# Altium PCB MainBoard_6_layers.PcbDoc (part 3 of 6)
Units mil, origin at the board's own origin, x right, y up, seen from the top; angles counter-clockwise.
Board outline 6692.91 x 6692.91 mil, 6 copper layers (Top Layer, Layer 1, Layer 3, Layer 4, Layer 2, Bottom Layer), stack 32.112 mil thick; 236 components, 405 nets, 1909 pads, 1279 vias.
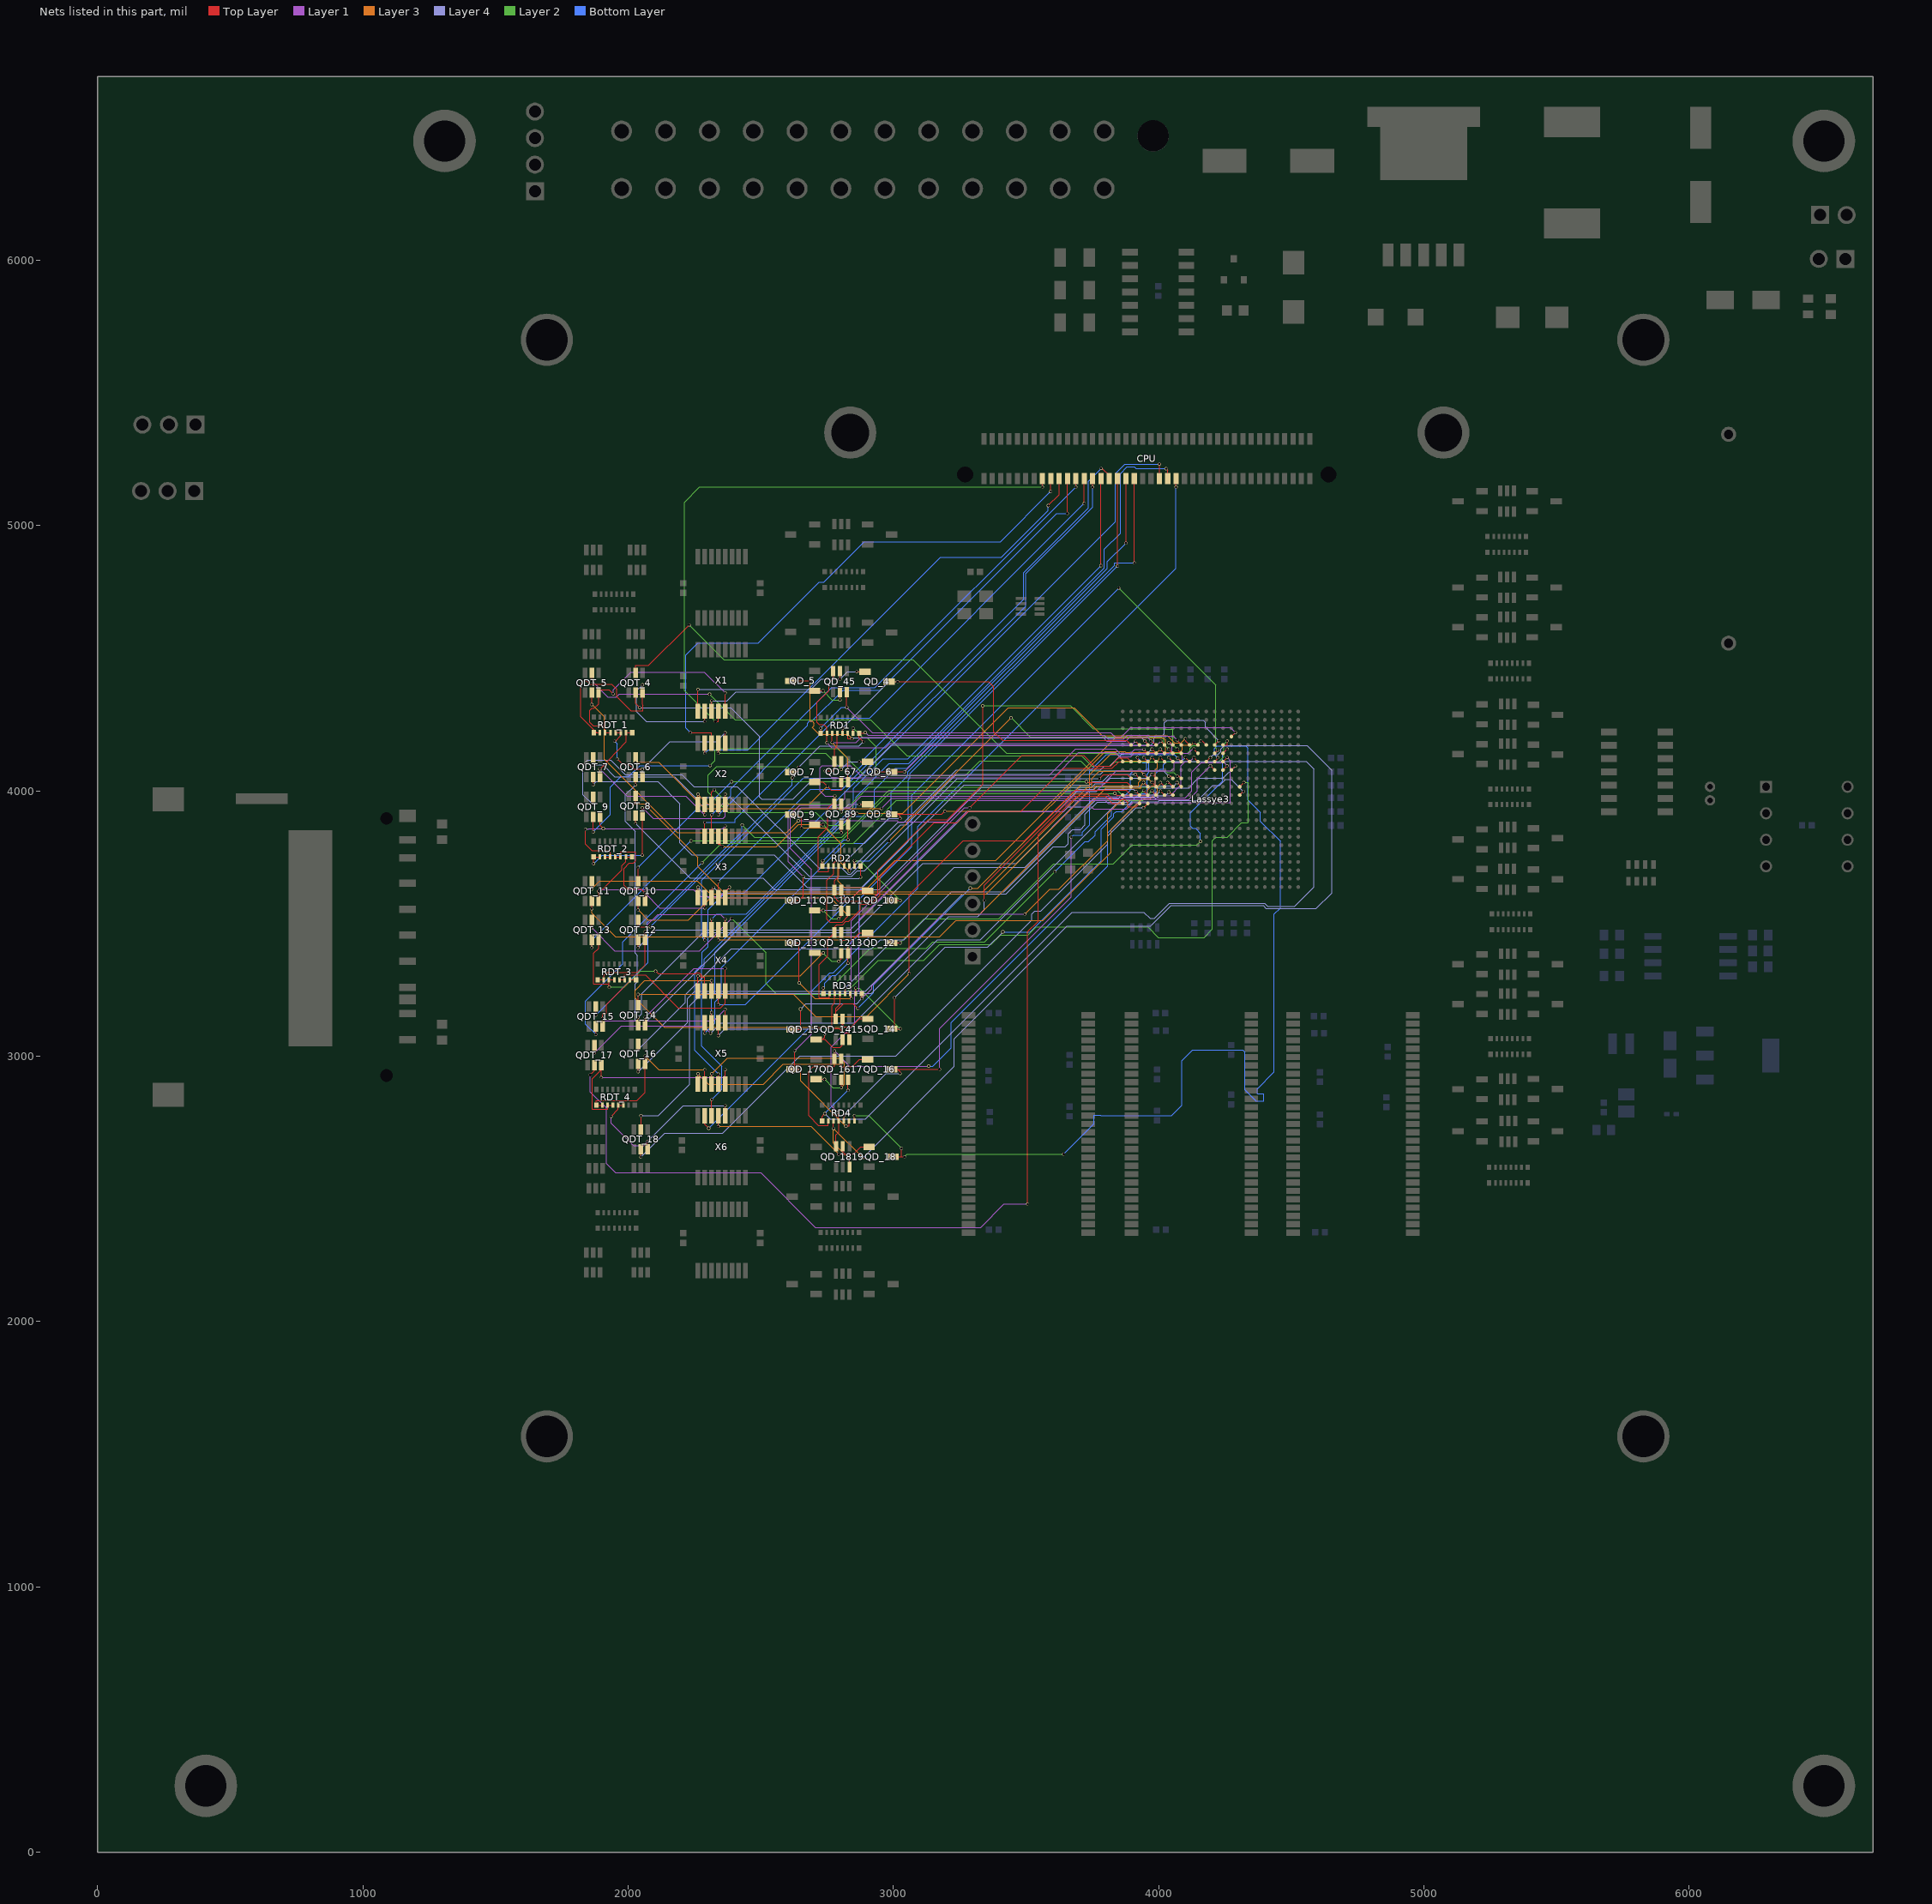
[diagram p7: the nets of this part, all layers, seen from the top]

## Via types
v1: diameter 11.81, hole 9.84, Top Layer to Bottom Layer, tented both sides, 1273 vias
v2: diameter 11.81, hole 9.84, Top Layer to Bottom Layer, 3 vias
v3: diameter 19.68, hole 13.78, Top Layer to Bottom Layer, tented both sides, 2 vias
v4: diameter 47.24, hole 35.43, Top Layer to Bottom Layer, tented both sides, 1 vias

## Nets (pads, with @x,y where several pads share a name; then routed paths per layer and width w, separated by ;. In a path a pad name is that pad's centre, name@x,y a point inside that pad or via, vN(x,y) a via of type N, cw(c..) or ccw(c..) an arc to the next point about the centre after c; other vN are vias at no path point) (continued)
D4_A_FromBUS: Lassye3.D14 QD_45.3 RD1.1 | length 1763.1
  Top Layer w4: RD1.1@2726.3,4217.67 v1(2726.3,4237) ; v1(2824.25,4315.66) QD_45.3@2824.25,4372.83 ; Lassye3.D14@4274.17,4205.15 v1(4289.47,4220.44)
  Layer 1 w4: v1(2824.25,4315.66) 2919.82,4220.09 3820.01,4220.09 3836.01,4204.09 3859.82,4204.09 3895.73,4240 4269.91,4240 v1(4289.47,4220.44)
  Bottom Layer w4: v1(2726.3,4237) 2804.96,4315.66 v1(2824.25,4315.66)
D4_A_ToBUS: Lassye3.E11 QDT_4.5 | length 2473.4
  Top Layer w4: QDT_4.5@2027.91,4445.5 2027.91,4473 2076.91,4473 v1(2229.91,4626) ; v1(4158.91,4189) 4164.34,4189 Lassye3.E11@4179.69,4173.65
  Layer 2 w4: v1(2229.91,4626) 2360.91,4495 3073.91,4495 3425.91,4143 4108.91,4143 4117.91,4152 4117.91,4161 4127.91,4171 4140.91,4171 v1(4158.91,4189)
D4_B_FromBUS: Lassye3.E2 QD_4.3 RD1.5 | length 1409.4
  Top Layer w4: RD1.5@2808.5,4217.67 2808.5,4236.59 v1(2808.91,4237) ; QD_4.3@2983.94,4412.2 v1@3015.72,4412.2 ; v1(3015.91,4412) v1@3015.72,4412.2 ; Lassye3.E2@3896.22,4173.65 3879.78,4190.09 3411.82,4190.09 3377.91,4224 3377.91,4393 3358.72,4412.2 v1@3015.72,4412.2
  Layer 4 w4: v1(2808.91,4237) 2983.91,4412 v1(3015.91,4412)
D4_B_ToBUS: Lassye3.E12 QDT_4.2 | length 2744.9
  Top Layer w4: QDT_4.2@2027.91,4370.7 2027.91,4330 v1(2043.91,4314) ; Lassye3.E12@4211.18,4173.65 v1(4226.91,4189.38)
  Layer 4 w4: v1(2043.91,4314) 2386.91,4314 2495.79,4205.12 2495.79,3977.12 2503.91,3969 2621.91,3969 2700.91,4048 2865.91,4048 2990.91,4173 3971.91,4173 3982.91,4184 3982.91,4200 3991.91,4209 4014.91,4209 4021.91,4216 4021.91,4257 4031.91,4267 4167.91,4267 4175.91,4259 4175.91,4240.38 v1(4226.91,4189.38)
D4_FROM_BUS: QD_4.1 QD_45.5 X1.1 | length 769.8
  Top Layer w4: X1.1@2263.35,4300.77 v1(2263.35,4383) ; v1(2798.66,4421.97) QD_45.5@2798.66,4451.57 ; v1(2861.91,4450) 2862.32,4449.6 QD_4.1@2893.39,4449.6
  Layer 4 w4: v1(2263.35,4383) 2689.64,4383 2728.61,4421.97 v1(2798.66,4421.97) 2826.69,4450 v1(2861.91,4450)
D4_TO_BUS: QDT_4.3 RDT_1.1 RDT_1.2 X1.2 | length 1062.9
  Top Layer w4: RDT_1.1@1870.55,4219.94 1881.97,4219.94 ; RDT_1.2@1893.7,4215 RDT_1.2@1893.7,4219.94 1881.97,4219.94 ; v1(2053.91,4400) 2053.5,4399.59 QDT_4.3@2053.5,4370.7 2053.5,4326 2055.91,4323.59 2055.91,4302 2009.91,4302 1956.91,4355 1956.91,4384 1937.91,4403 1854.91,4403 1841.91,4416 1829.91,4416 1821.91,4408 1821.91,4280 1881.97,4219.94 ; v1(2288.91,4262) X1.2@2288.94,4300.77
  Layer 4 w4: v1(2053.91,4400) 2031.91,4378 2031.91,4299 2068.91,4262 v1(2288.91,4262)
D5: CPU.16 X1.4 | length 2330.3
  Top Layer w4: v1(2328.91,4262) 2340.12,4262 X1.4@2340.12,4300.77 ; CPU.16@3561.85,5177.83 3561.85,5146.06 v1(3561.91,5146)
  Layer 2 w4: v1(2328.91,4262) 2211.91,4379 2211.91,5088 2269.91,5146 v1(3561.91,5146)
D5_A_FromBUS: Lassye3.E3 QD_45.6 RD1.2 | length 1522.9
  Top Layer w4: v1(2749.45,4182) RD1.2@2749.45,4217.67 2749.45,4240 2738.45,4251 2719.91,4251 2711.91,4259 2711.91,4334 2756.91,4379 2756.91,4406.84 2773.07,4423 QD_45.6@2773.07,4451.57 ; v1(3913.37,4188) Lassye3.E3@3927.72,4173.65
  Layer 1 w4: v1(2749.45,4182) 2767.45,4164 2970.91,4164 2986.91,4180 3905.37,4180 v1(3913.37,4188)
D5_A_ToBUS: Lassye3.E13 QDT_5.5 | length 2666.9
  Top Layer w4: v1(1862.91,4415) QDT_5.5@1862.91,4445.5 ; Lassye3.E13@4242.68,4173.65 4258.91,4173.65 v1(4258.91,4189)
  Layer 1 w4: v1(1862.91,4415) 1923.82,4354.09 1955.82,4354.09 1966.73,4365 v1(2306.91,4365)
  Layer 2 w4: v1(2306.91,4365) 2402.91,4269 2914.91,4269 3050.91,4133 3708.62,4133 3747.52,4094.09 3816.82,4094.09 3832.82,4110.09 4227.01,4110.09 4246.82,4129.91 4246.82,4176.91 v1(4258.91,4189)
D5_B_FromBUS: Lassye3.E4 QD_5.3 RD1.6 | length 1611.6
  Top Layer w4: QD_5.3@2612.64,4415 v1(2685.91,4415) ; RD1.6@2828.19,4217.67 2828.19,4198 ; v1(2843.91,4197) v1@2842.99,4197.92 ; v1@2844.19,4197.92 v1@2842.99,4197.92 ; v1(3947.91,4189) 3947.91,4186.98 3959.21,4175.68 Lassye3.E4@3959.21,4173.65 ; 2828.19,4198 2828.19,4197.92 v1@2842.99,4197.92 ; 2828.19,4198 2842.91,4198 v1@2842.99,4197.92
  Layer 3 w4: v1(2685.91,4415) 2685.91,4262.96 2693.59,4262.96 2700.57,4255.99 2700.57,4246.12 2694.18,4239.73 2719.91,4214 2828.11,4214 v1@2844.19,4197.92
  Layer 4 w4: v1(2843.91,4197) 2847.91,4201 3935.91,4201 v1(3947.91,4189)
D5_B_ToBUS: Lassye3.H12 QDT_5.2 | length 2836
  Top Layer w4: v1(1862.91,4326) QDT_5.2@1862.91,4370.7 ; v1(4195.35,4095) Lassye3.H12@4211.18,4079.16
  Layer 1 w4: v1(2641.91,3888) 3013.59,3888 3017.3,3884.29 3200.2,3884.29 3280.82,3964.91 3797.82,3964.91 3809.45,3953.28 3862.82,3953.28 3876.58,3967.04 4113.43,3967.04 4146.39,4000 4146.39,4046.05 v1(4195.35,4095)
  Layer 3 w4: v1(1862.91,4326) 1909.91,4279 1909.91,4120 2185.91,3844 2597.91,3844 v1(2641.91,3888)
D5_FROM_BUS: QD_5.1 QD_45.2 X1.3 | length 614.4
  Top Layer w4: X1.3@2314.53,4300.77 2314.53,4339.61 v1(2314.91,4340) ; QD_5.1@2703.19,4377.6 v1(2734.75,4377.6) ; v1(2798.66,4343) QD_45.2@2798.66,4372.83
  Layer 2 w4: v1(2734.75,4377.6) 2769.35,4343 v1(2798.66,4343)
  Layer 4 w4: v1(2314.91,4340) 2372.61,4340 2406.61,4374 2731.15,4374 v1(2734.75,4377.6)
D5_TO_BUS: QDT_5.3 RDT_1.3 RDT_1.4 X1.5 | length 877.2
  Top Layer w4: RDT_1.4@1933.07,4219.94 RDT_1.3@1913.39,4219.94 1913.39,4243.71 1911.04,4246.05 1868.86,4246.05 1855.91,4259 1855.91,4304 1863.91,4312 1871.91,4312 1888.5,4328.59 QDT_5.3@1888.5,4370.7 1888.5,4382 1927.91,4382 v1(1943.91,4366) ; X1.5@2365.71,4300.77 v1(2365.71,4370)
  Layer 1 w4: v1(1943.91,4366) 1943.91,4382 2009.91,4448 2287.71,4448 v1(2365.71,4370)
D6: CPU.18 X2.14 | length 2097.6
  Top Layer w4: v1(2234.91,4220) 2314.53,4220 X2.14@2314.53,4180.68 ; v1(3593.35,5129.43) CPU.18@3593.35,5177.83
  Bottom Layer w4: v1(2234.91,4220) 2217.91,4237 2217.91,4512 2262.91,4557 2490.91,4557 2720.91,4787 2737.51,4787 2889.8,4939.29 3403.2,4939.29 v1(3593.35,5129.43)
D6_A__FromBUS: Lassye3.E5 QD_67.3 RD1.3 | length 1460.5
  Top Layer w4: v1(2769.13,4183) RD1.3@2769.13,4217.67 ; v1(2828.91,4078) 2829.25,4077.66 QD_67.3@2829.25,4032.83 ; v1(3971.01,4189) 3973.12,4189 Lassye3.E5@3988.47,4173.65
  Layer 1 w4: v1(2769.13,4183) 2859.23,4183 2878.38,4202.15 3790.05,4202.15 3804.1,4188.09 3875.82,4188.09 3889.87,4202.15 3957.86,4202.15 v1(3971.01,4189)
  Layer 3 w4: v1(2769.13,4183) 2828.91,4123.22 v1(2828.91,4078)
D6_A_ToBUS: Lassye3.H13 QDT_6.5 | length 2465.8
  Top Layer w4: v1(2027.91,4107.96) QDT_6.5@2027.91,4127.4 ; Lassye3.H13@4242.68,4079.16 4258.51,4095 v1(4258.91,4095)
  Layer 1 w4: v1(2954.91,3934) 2993.82,3972.91 3805.82,3972.91 3807.82,3970.91 3850.69,3970.91 3854.82,3975.04 4099.95,3975.04 4124.91,4000 4124.91,4072 4159.91,4107 4246.91,4107 v1(4258.91,4095)
  Layer 3 w4: v1(2027.91,4107.96) 2114.95,4107.96 2288.91,3934 v1(2954.91,3934)
D6_B_FromBUS: Lassye3.E6 QD_6.3 RD1.7 | length 1370.7
  Top Layer w4: RD1.7@2847.87,4217.67 v1(2847.91,4237) v1(2847.91,4237) ; v1(2935.91,4072.2) QD_6.3@2993.94,4072.2 v1(3041.5,4072.2) ; v1(4007.89,4187.97) Lassye3.E6@4022.21,4173.65
  Layer 1 w4: v1(3041.5,4072.2) 3140.3,4171 3990.91,4171 v1(4007.89,4187.97)
  Layer 2 w4: v1(2847.91,4237) 2884.54,4200.38 2901.4,4200.38 2935.91,4165.86 v1(2935.91,4072.2)
D6_B_ToBUS: Lassye3.H14 QDT_6.2 | length 3648.4
  Top Layer w4: v1(2027.91,4023) QDT_6.2@2027.91,4052.6 ; Lassye3.H14@4274.17,4079.16 4289.24,4094.23 v1(4289.24,4094.33)
  Layer 4 w4: v1(2027.91,4023) 1989.91,3985 1989.91,3885 2026.91,3848 2026.91,3741 2025.91,3740 2025.91,3389 2034.91,3380 2034.91,3281 2025.91,3272 2025.91,3133 2071.91,3133 2390.91,3452 2968.91,3452 3228.91,3712 3495.82,3712 3758.33,3974.51 3850.23,3974.51 3860.63,3984.91 3979.82,3984.91 3994.91,4000 3994.91,4011.91 4112.82,4011.91 4148.91,4048 4242.91,4048 v1(4289.24,4094.33)
D6_FROM_BUS: QD_6.1 QD_67.5 X2.13 | length 668.8
  Top Layer w4: v1(2340.12,4142) X2.13@2340.12,4180.68 ; v1(2803.66,4081.97) v1@2803.66,4082.25 ; QD_67.5@2803.66,4111.57 v1@2803.66,4082.25 ; v1@2803.91,4082 v1@2803.66,4082.25 ; v1(2871.91,4110) 2872.32,4109.6 QD_6.1@2903.39,4109.6
  Layer 2 w4: v1(2340.12,4142) 2743.91,4142 v1@2803.91,4082
  Layer 4 w4: v1(2803.66,4081.97) 2831.69,4110 v1(2871.91,4110)
D6_TO_BUS: QDT_6.3 RDT_1.5 RDT_1.6 X2.12 | length 679.2
  Top Layer w4: RDT_1.5@1952.76,4219.94 RDT_1.6@1972.44,4219.94 1972.44,4208 v1@1953.44,4189 ; v1(1958.66,4121.05) 1978,4101.72 2001.2,4101.72 2019.91,4083 2053.5,4083 v1(2053.5,4082) QDT_6.3@2053.5,4052.6 ; X2.12@2365.71,4180.68 2365.71,4219.59 v1(2365.91,4219.8)
  Layer 4 w4: v1(2053.5,4082) 2157.5,4186 2332.12,4186 v1(2365.91,4219.8)
  Bottom Layer w4: v1(1949,4188.03) 1958.66,4178.37 v1(1958.66,4121.05)
D7: CPU.20 X2.15 | length 1850.4
  Top Layer w4: v1(2288.91,4142.02) X2.15@2288.94,4180.68 ; v1(3583.66,5076.05) 3624.84,5117.24 CPU.20@3624.84,5177.83
  Bottom Layer w4: v1(2288.91,4142.02) 2302.89,4156 2451.91,4156 3176.91,4881 3407.91,4881 3583.66,5056.75 v1(3583.66,5076.05)
D7_A_FromBUS: Lassye3.E7 QD_67.6 RD1.4 | length 1603.6
  Top Layer w4: v1(2743.66,4076.05) 2771.13,4076.05 2778.07,4083 QD_67.6@2778.07,4111.57 2778.07,4159 2788.82,4169.75 RD1.4@2788.82,4217.67 ; v1(4037.91,4182) 4045.35,4182 Lassye3.E7@4053.7,4173.65
  Layer 1 w4: v1(2743.66,4076.05) 2743.66,4075.25 2768.91,4050 3603.53,4050 3698.43,4144.91 3837.82,4144.91 3853.73,4129 3894.91,4129 3907.91,4142 4039.91,4142 4049.91,4152 4049.91,4170 v1(4037.91,4182)
D7_A_ToBUS: Lassye3.J2 QDT_7.5 | length 2396.7
  Top Layer w4: v1(1867.91,4098) QDT_7.5@1867.91,4127.4 ; v1(3776.91,4047) 3792.01,4062.09 3881.8,4062.09 Lassye3.J2@3896.22,4047.67
  Layer 4 w4: v1(1867.91,4098) 1904.91,4098 1949.91,4053 2175.91,4053 2252.91,3976 2384.91,3976 2682.82,3678.09 2843.32,3678.09 2864.23,3699 2891.91,3699 3239.91,4047 v1(3776.91,4047)
D7_B_FromBUS: Lassye3.E8 QD_7.3 RD1.8 | length 1614.8
  Top Layer w4: QD_7.3@2612.64,4071.37 2634.38,4071.37 2643.01,4080 v1(2643.01,4089.26) ; v1(2887.02,4186) 2871.02,4202 RD1.8@2871.02,4217.67 2890.58,4217.67 v1(2893.91,4221) ; v1(4069.91,4193) 4069.91,4190.97 4085.2,4175.68 Lassye3.E8@4085.2,4173.65
  Layer 1 w4: v1(2893.91,4221) 2904.77,4210.15 3795.41,4210.15 3809.46,4196.09 3867.82,4196.09 3881.87,4210.15 3962.77,4210.15 3965.08,4207.83 4055.08,4207.83 v1(4069.91,4193)
  Layer 4 w4: v1(2643.01,4089.26) 2723.75,4170 2871.02,4170 v1(2887.02,4186)
D7_B_ToBUS: Lassye3.J3 QDT_7.2 | length 2528.9
  Top Layer w4: v1(1867.91,4023) QDT_7.2@1867.91,4052.6 ; v1(3912.39,4063) Lassye3.J3@3927.72,4047.67
  Layer 4 w4: v1(1867.91,4023) 1879.91,4035 2111.91,4035 2194.91,3952 2194.91,3805 2239.91,3760 2550.91,3760 2674.82,3636.09 2880.01,3636.09 3267.1,4023.19 3739.82,4023.19 3751.73,4035.09 3788.82,4035.09 3816.73,4063 v1(3912.39,4063)
D7_FROM_BUS: QD_7.1 QD_67.2 X2.1 | length 735.9
  Top Layer w4: X2.1@2263.35,3949.34 v1(2263.35,3988) ; QD_7.1@2703.19,4033.97 2734.91,4033.97 2765.88,4003 2803.66,4003 QD_67.2@2803.66,4032.83 ; 2734.95,4033.97 v1(2750.91,4018)
  Layer 3 w4: v1(2263.35,3988) 2301.35,3950 2682.91,3950 v1(2750.91,4018)
D7_TO_BUS: QDT_7.3 RDT_1.7 RDT_1.8 X2.2 | length 736.5
  Top Layer w4: QDT_7.3@1893.51,4052.6 v1(1893.51,4083) 1992.13,4186 RDT_1.7@1992.13,4219.94 RDT_1.8@2015.28,4219.94 ; v1(2288.94,3910) X2.2@2288.94,3949.34
  Layer 1 w4: v1(1893.51,4083) 1995.45,3981.05 2217.88,3981.05 v1(2288.94,3910)
D8: CPU.22 X2.4 | length 1963.3
  Top Layer w4: v1(2339.91,3910) 2340.12,3910.2 X2.4@2340.12,3949.34 ; v1(3655.91,5046) 3656.34,5046.43 CPU.22@3656.34,5177.83
  Bottom Layer w4: v1(2339.91,3910) 2676.76,4246.84 2676.76,4255.99 2683.73,4262.96 2692.87,4262.96 2809.91,4380 2949.91,4380 3615.91,5046 v1(3655.91,5046)
D8_A_FromBUS: Lassye3.E9 QD_89.3 RD2.1 | length 1765.7
  Top Layer w4: RD2.1@2731.77,3717.2 2731.77,3734.86 v1(2733.91,3737) ; v1(2829.25,3816.34) QD_89.3@2829.25,3872.83 2829.25,3897.34 2847.91,3916 v1(2862.91,3916) ; v1(4100.91,4197) 4102.41,4195.51 4102.41,4187.94 Lassye3.E9@4116.69,4173.65
  Layer 3 w4: v1(2862.91,3916) 3034.91,3916 3432.91,4314 3681.91,4314 3786.92,4208.99 4031.91,4208.99 4059.9,4181 4084.91,4181 v1(4100.91,4197)
  Bottom Layer w4: v1(2733.91,3737) 2813.25,3816.34 v1(2829.25,3816.34)
D8_A_ToBUS: Lassye3.J4 QDT_8.5 | length 2349.8
  Top Layer w4: v1(2019.91,3952) 2027.91,3960 QDT_8.5@2027.91,3981.57 ; v1(3943.91,4063) Lassye3.J4@3959.21,4047.67
  Layer 3 w4: v1(2019.91,3952) 2059.91,3952 2261.91,3750 2261.91,3716 2358.33,3619.58 3337.31,3619.58 3730.04,4012.31 3747.82,4012.31 3747.82,4046.59 3776.13,4074.91 3932.01,4074.91 v1(3943.91,4063)
D8_B_FromBUS: Lassye3.E10 QD_8.3 RD2.5 | length 1664.7
  Top Layer w4: RD2.5@2813.98,3717.2 2813.98,3728 v1(2829.91,3743.94) ; QD_8.3@2993.94,3912.2 3017.3,3912.2 ; v1(3025.5,3896.2) 3025.5,3904 3017.3,3912.2 ; v1(3193.91,3924) 3182.11,3912.2 3017.3,3912.2 ; v1(4132.91,4183) 4140.35,4175.57 4146.28,4175.57 Lassye3.E10@4148.19,4173.65
  Layer 3 w4: v1(3193.91,3924) 3560.91,3924 3837.9,4200.99 4016.92,4200.99 4025.91,4192 4025.91,4146 4079.91,4146 4088.91,4155 4088.91,4173 4122.91,4173 v1(4132.91,4183)
  Layer 4 w4: v1(2829.91,3743.94) 2982.17,3896.2 v1(3025.5,3896.2)
D8_B_ToBUS: Lassye3.J5 QDT_8.2 | length 2282.2
  Top Layer w4: v1(2027.91,3877) QDT_8.2@2027.91,3906.76 ; v1(3974.91,4063) 3975.38,4063 Lassye3.J5@3990.71,4047.67
  Layer 4 w4: v1(2027.91,3877) 2232.91,3672 2508.91,3672 2552.82,3628.09 2946.01,3628.09 3332.01,4014.09 3747.82,4014.09 3760.63,4026.91 3797.38,4026.91 3818.47,4048 3959.91,4048 v1(3974.91,4063)
D8_FROM_BUS: QD_8.1 QD_89.5 X2.3 | length 714.2
  Top Layer w4: X2.3@2314.53,3949.34 2314.53,3994.61 v1(2324.91,4005) ; v1(2803.66,3921.97) QD_89.5@2803.66,3951.57 ; v1(2871.91,3950) 2872.32,3949.6 QD_8.1@2903.39,3949.6
  Layer 2 w4: v1(2324.91,4005) 2378.91,3951 2774.64,3951 v1(2803.66,3921.97)
  Layer 4 w4: v1(2803.66,3921.97) 2831.69,3950 v1(2871.91,3950)
D8_TO_BUS: QDT_8.3 RDT_2.1 RDT_2.2 X2.5 | length 880.4
  Top Layer w4: v1(1869.76,3726) RDT_2.1@1869.76,3751.84 RDT_2.2@1892.91,3751.84 ; v1(2053.51,3758) QDT_8.3@2053.51,3906.76 v1(2053.51,3937) ; X2.5@2365.71,3949.34 2365.71,3987.8 v1(2365.91,3988)
  Layer 1 w4: v1(2053.51,3937) 2094.51,3896 2357.91,3896 2365.91,3904 v1(2365.91,3988)
  Bottom Layer w4: v1(1869.76,3726) 1901.76,3758 v1(2053.51,3758)
D9: CPU.24 X3.14 | length 2013.2
  Top Layer w4: X3.14@2314.53,3829.25 v1(2314.53,3910) ; v1(3687.84,5145.92) CPU.24@3687.84,5177.83
  Bottom Layer w4: v1(2314.53,3910) 2386.4,3981.87 2386.4,4008 2767.4,4389 2930.91,4389 v1(3687.84,5145.92)
D9_A_FromBUS: Lassye3.F4 QD_89.6 RD2.2 | length 1837.2
  Top Layer w4: RD2.2@2754.92,3717.2 2754.92,3697 2716.91,3697 2716.91,3827 2752.91,3863 2752.91,3936 2768.91,3952 QD_89.6@2778.07,3952 ; QD_89.6@2778.07,3951.57 QD_89.6@2778.07,3952 ; v1(2778.91,3981) 2778.07,3980.16 QD_89.6@2778.07,3952 ; v1(3944.37,4157) Lassye3.F4@3959.21,4142.16
  Layer 1 w4: v1(2778.91,3981) 2742.91,3981 2723.91,4000 2723.91,4088 2731.91,4096 2838.91,4096 2874.91,4060 3587.91,4060 3686.32,4158.41 3837.82,4158.41 3853.23,4143 3895.91,4143 3909.91,4157 v1(3944.37,4157)
D9_A_ToBUS: Lassye3.J7 QDT_9.5 | length 2777.7
  Top Layer w4: v1(1867.91,3948) QDT_9.5@1867.91,3977.4 ; v1(4037.91,4056) 4045.37,4056 Lassye3.J7@4053.7,4047.67
  Layer 4 w4: v1(1867.91,3948) 1829.91,3986 1829.91,4098 1847.92,4116 1934.91,4116 1988.82,4062.09 2202.82,4062.09 2247.91,4017 2411.91,4017 2718.91,3710 2803.91,3710 2827.82,3686.09 2840.01,3686.09 3027.12,3873.2 3048.49,3873.2 3237.88,4062.59 3779.82,4062.59 3793.23,4076 4017.91,4076 v1(4037.91,4056)
D9_B_FromBUS: Lassye3.F5 QD_9.3 RD2.6 | length 1745.8
  Top Layer w4: QD_9.3@2612.64,3910.74 2639.91,3910.74 2653.82,3896.83 v1(2653.82,3861) ; v1(2833.66,3698) RD2.6@2833.66,3717.2 ; v1(3974.89,4157.98) Lassye3.F5@3990.71,4142.16
  Layer 3 w4: v1(2653.82,3861) 2742.91,3861 2802.91,3801 2802.91,3728.75 v1(2833.66,3698)
  Layer 4 w4: v1(2833.66,3698) 3017.65,3881.99 3039.7,3881.99 3236.71,4079 3780.23,4079 3795.32,4094.09 3816.82,4094.09 3862.73,4140 3956.91,4140 v1(3974.89,4157.98)
D9_B_ToBUS: Lassye3.J8 QDT_9.2 | length 2579.3
  Top Layer w4: v1(1867.91,3846) QDT_9.2@1867.91,3902.6 ; v1(4069.91,4056) 4076.87,4056 Lassye3.J8@4085.2,4047.67
  Layer 2 w4: v1(2308.66,4096.05) 2327.91,4115.31 2327.91,4152 2335.91,4160 2789.91,4160 2891.91,4058 3270.91,4058 3326.91,4114 3706.91,4114 3744.91,4076 4024.91,4076 4031.91,4069 4056.91,4069 v1(4069.91,4056)
  Bottom Layer w4: v1(1867.91,3846) 1932.91,3911 1932.91,4015 1972.69,4054.78 2002.88,4054.78 2044.16,4096.05 v1(2308.66,4096.05)
D9_FROM_BUS: QD_9.1 QD_89.2 X3.13 | length 605.4
  Top Layer w4: X3.13@2340.12,3829.25 2340.12,3800 2345.91,3800 v1(2355.91,3790) ; QD_9.1@2703.19,3873.34 v1(2734.75,3873.34) ; v1(2803.66,3843) QD_89.2@2803.66,3872.83
  Layer 2 w4: v1(2734.75,3873.34) 2765.09,3843 v1(2803.66,3843)
  Layer 3 w4: v1(2355.91,3790) 2558.58,3790 2641.91,3873.34 v1(2734.75,3873.34)
D9_TO_BUS: QDT_9.3 RDT_2.3 RDT_2.4 X3.12 | length 819.3
  Top Layer w4: v1(1838.66,3856.05) 1838.66,3800.25 1862.86,3776.05 1924.23,3776.05 1932.28,3768 RDT_2.4@1932.28,3751.84 RDT_2.3@1912.6,3751.84 ; QDT_9.3@1893.5,3902.6 1893.5,3871.41 v1(1906.43,3858.48) ; X3.12@2365.71,3829.25 v1@2365.71,3867.8 ; v1(2365.71,3868) v1@2365.71,3867.8 ; v1@2365.91,3868 v1@2365.71,3867.8
  Layer 1 w4: v1(1838.66,3856.05) 1839.09,3856.48 1850.57,3856.48 1852.57,3858.48 1905.95,3858.48 v1@1906.43,3858 ; v1(1906.43,3858.48) 2356.19,3858.48 v1(2365.71,3868)
D10: CPU.26 X3.15 | length 2081.2
  Top Layer w4: X3.15@2288.94,3829.25 v1(2288.94,3882.09) ; v1(3719.33,5084.42) CPU.26@3719.33,5177.83
  Bottom Layer w4: v1(2288.94,3882.09) 2403.21,3882.09 2403.21,3893.29 2785.31,4275.4 2910.31,4275.4 v1(3719.33,5084.42)
D10_A_FromBUS: Lassye3.F6 QD_1011.3 RD2.3 | length 1897.8
  Top Layer w4: v1(2790.91,3737) 2783.61,3737 2774.61,3728 RD2.3@2774.61,3717.2 2774.61,3688 2749.76,3663.15 2749.76,3516.25 2759.91,3506.09 2806.68,3506.09 2829.25,3528.67 QD_1011.3@2829.25,3547.83 ; v1(4006.64,4157.72) Lassye3.F6@4022.21,4142.16
  Layer 3 w4: v1(2790.91,3737) 2790.91,3661 2815.91,3636 2903.91,3636 3005.91,3738 3386.61,3738 3797.61,4149 3871.91,4149 3875.91,4145 3993.91,4145 v1(4006.64,4157.72)
D10_A_ToBUS: Lassye3.K2 QDT_10.5 | length 2051.8
  Top Layer w4: QDT_10.5@2037.91,3660.14 v1(2037.91,3712) ; v1(3727.91,4035.09) 3731.01,4032 3880.39,4032 Lassye3.K2@3896.22,4016.17
  Layer 2 w4: v1(2390.01,4035.09) v1(3727.91,4035.09)
  Bottom Layer w4: v1(2037.91,3712) 2274.91,3949 2303.91,3949 v1(2390.01,4035.09)
D10_B_FromBUS: Lassye3.F7 QD_10.3 RD2.7 | length 1779.2
  Top Layer w4: v1(2852.91,3737) 2853.35,3736.57 RD2.7@2853.35,3717.2 ; QD_10.3@2993.94,3587.2 v1(3025.5,3587.2) ; v1(4037.91,4158) 4037.91,4157.94 Lassye3.F7@4053.7,4142.16
  Layer 2 w4: v1(2852.91,3737) 2875.69,3737 v1(3025.5,3587.2) ; v1(3443.66,4276.05) 3515.62,4204.09 4009.82,4204.09 4019.91,4194 4019.91,4176 v1(4037.91,4158)
  Layer 3 w4: v1(2983.66,3811.05) 3051.61,3879 3051.61,3884 v1(3443.66,4276.05)